# Altium PCB 4-PortUsbHub_PCB.PcbDoc (part 1 of 2) (continued)
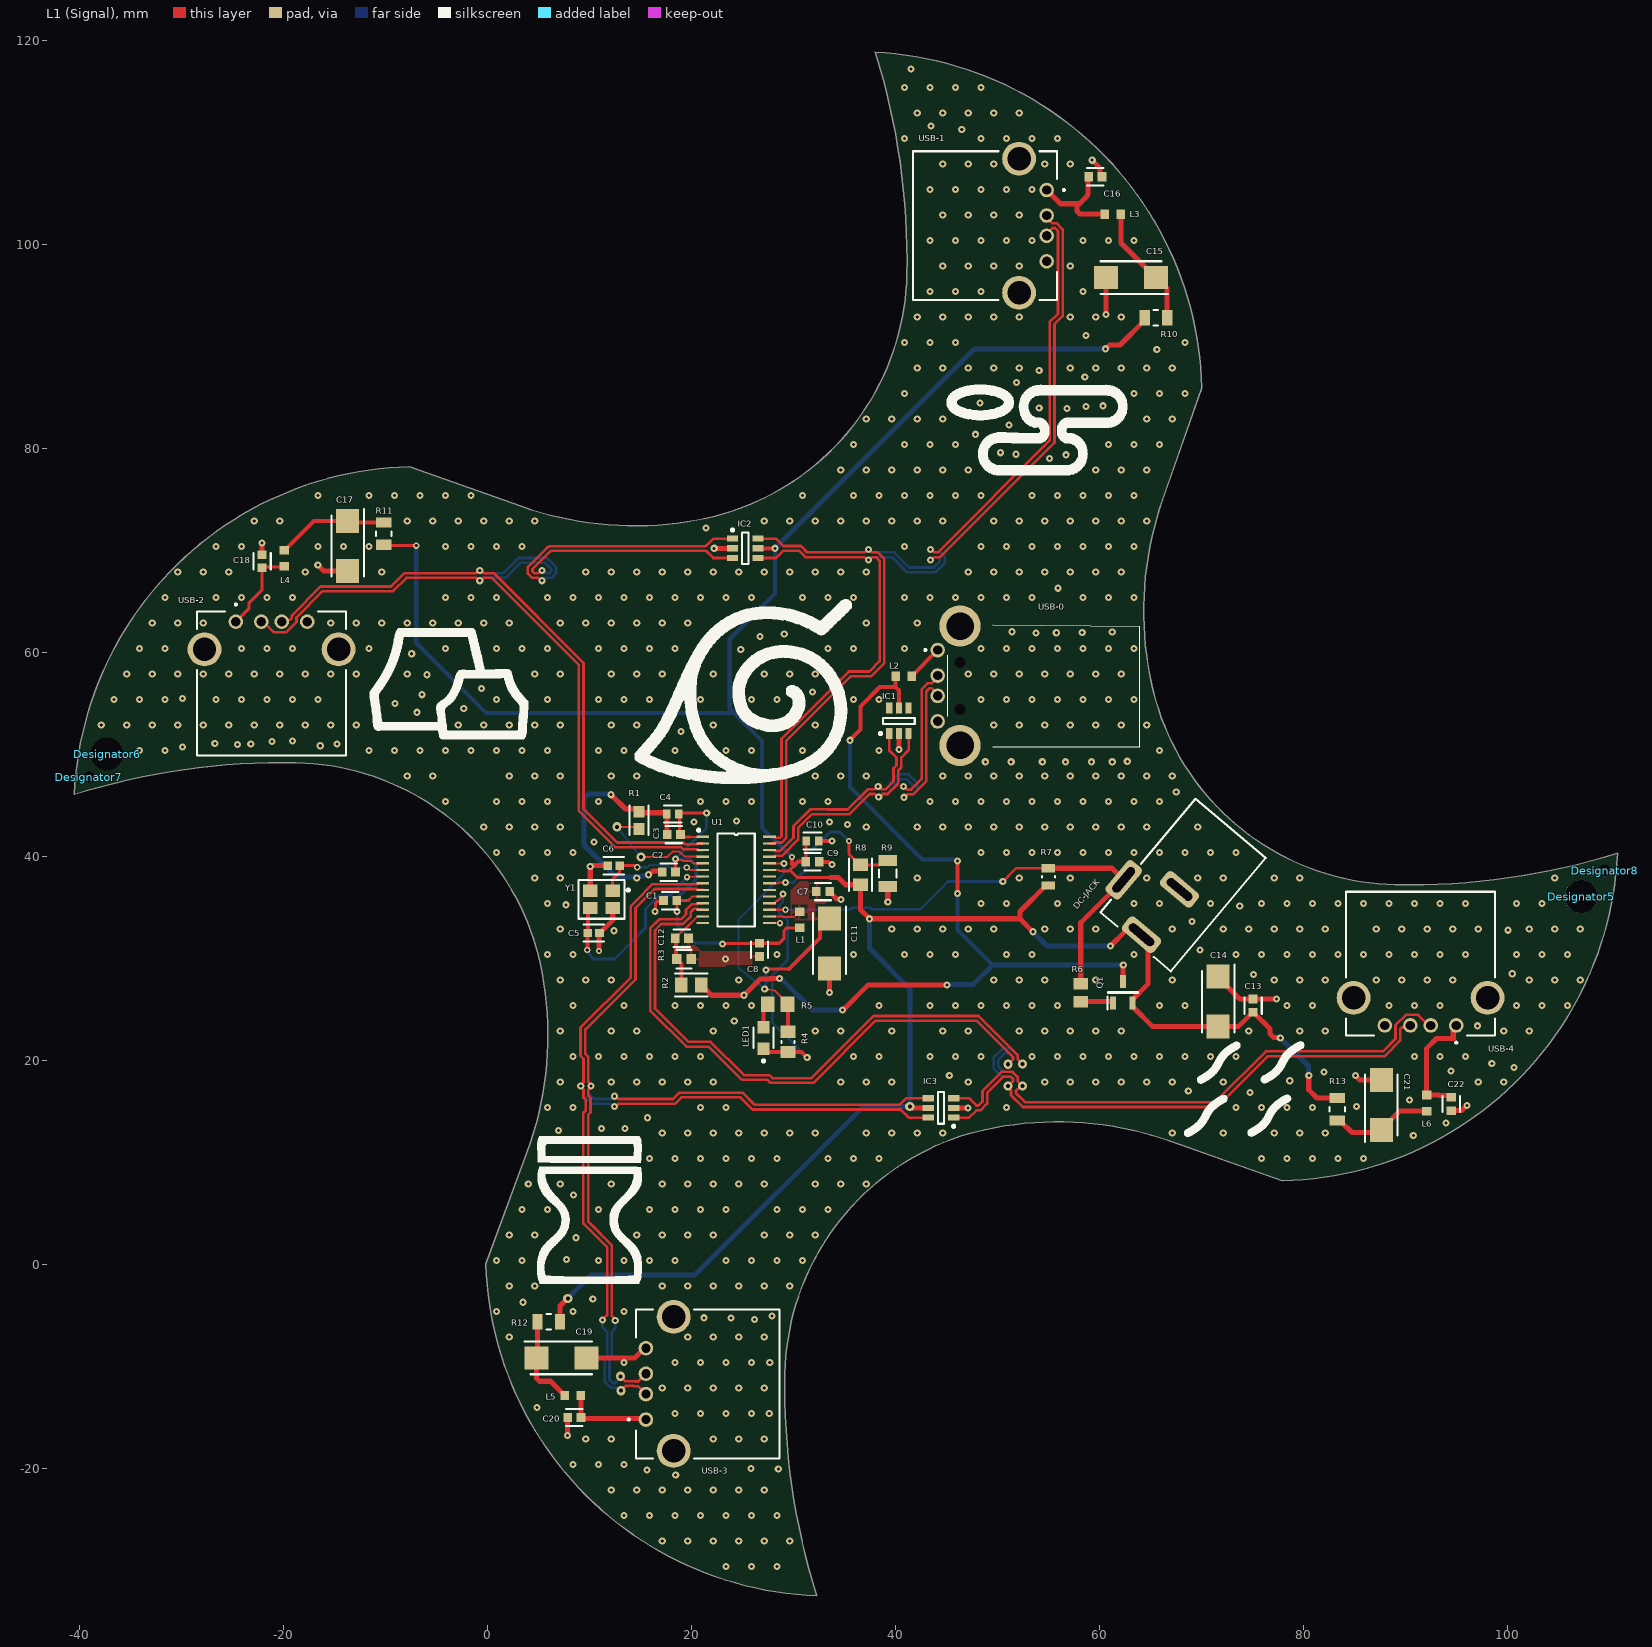
[diagram p0: L1 (Signal) view]
## Design rules (kind name [scope] priority, off if disabled: settings)
BoardOutlineClearance [All] p1: gap=0.2 ignorepadtopadclearanceinfootprint=FALSE
Clearance [All] p1: gap=0.2 ignorepadtopadclearanceinfootprint=FALSE except(0: Arc-Hole Track-Hole SMDPad-Hole THPad-Hole Via-Hole Fill-Hole Poly-Hole Region-Hole Text-Hole; 0.254: Arc-Via Track-Via Via-Via)
DiffPairsRouting DiffPairsRouting_1 [InDifferentialPairClass('90OhmDiffPairs')] p1: maxlimit=0.254 minlimit=0.203 mostfreqgap=0.254 toplayer_maxgap=0.203 toplayer_prefgap=0.203 toplayer_minwidth=0.261 toplayer_maxwidth=0.261 toplayer_prefwidth=0.261 bottomlayer_maxgap=0.203 bottomlayer_prefgap=0.203 bottomlayer_minwidth=0.261 bottomlayer_maxwidth=0.261 bottomlayer_prefwidth=0.261 impedanceprofiledriven=TRUE impedanceprofileid={3D53918F-05D9-4608-ACEE-7981F4743B1B} impedanceprofilevalue=90.000000 maxuncoupledlength=12.7
DiffPairsRouting [All] p2: maxlimit=0.254 minlimit=0.203 mostfreqgap=0.254 toplayer_maxgap=0.203 toplayer_prefgap=0.203 toplayer_minwidth=0.261 toplayer_maxwidth=0.261 toplayer_prefwidth=0.261 bottomlayer_maxgap=0.203 bottomlayer_prefgap=0.203 bottomlayer_minwidth=0.261 bottomlayer_maxwidth=0.261 bottomlayer_prefwidth=0.261 impedanceprofiledriven=TRUE impedanceprofileid={3D53918F-05D9-4608-ACEE-7981F4743B1B} impedanceprofilevalue=90.000000 maxuncoupledlength=12.7
HoleSize [All] p1: absolutevalues=TRUE maxlimit=6.3 minlimit=0.2 maxpercent=80.000 minpercent=20.000
MatchedLengths [InDifferentialPairClass('90OhmDiffPairs')] p1: tolerance=3.81 checknetsindiffpair=TRUE checkdiffpairvsdiffpair=FALSE checkxsignals=FALSE checkothers=FALSE
MinimumAnnularRing [All] p1: minimumring=0.13
MinimumSolderMaskSliver [All] p1: minsoldermaskwidth=0.2
PolygonConnect [All] p1: thpad.connectstyle=Relief thpad.reliefconductorwidth=0.254 thpad.reliefentries=4 thpad.polygonreliefangle="90 Angle" thpad.airgapwidth=0.254 smdpad.connectstyle=Relief smdpad.reliefconductorwidth=0.254 smdpad.reliefentries=4 smdpad.polygonreliefangle="90 Angle" smdpad.airgapwidth=0.254 via.connectstyle=Direct via.reliefconductorwidth=0.254 via.reliefentries=4 via.polygonreliefangle="90 Angle" via.airgapwidth=0.254
RoutingVias [All] p1: holewidth=0.3 width=0.7 viastyle="Through Hole" minholewidth=0.2 minwidth=0.4 maxholewidth=0.4 maxwidth=0.9
SilkToSolderMaskClearance [IsPad] p1: minsilkscreentomaskgap=0.15 clearancetoexposedcopper=TRUE
SolderMaskExpansion [All] p1: expansion=0.05 istentingtop=FALSE
UnRoutedNet [All] p1: checkbadconnections=TRUE
Width [All] p1: maxlimit=1 minlimit=0.2 preferedwidth=0.3 minimp=50.000000 maximp=50.000000 favimp=50.000000
25 further rules are at their usual default settings.

## Classes and differential pairs
differential pair class 90OhmDiffPairs: USB_D0 USB_D1 USB_D2 USB_D3 USB_D4
component class 4-PortUsbHub_Schematic: C1 C2 C3 C4 C5 C6 C7 C8 C9 C10 C11 C12 C13 C14 C15 C16 C17 C18 C19 C20 C21 C22 DC-JACK IC1 IC2 IC3 L1 L2 L3 L4 L5 L6 L? LED1 Q1 R1 R2 R3 R4 R5 R6 R7 R8 R9 R10 R11 R12 R13 U1 USB-0 USB-1 USB-2 USB-3 USB-4 Y1
differential pair USB_D4: +USB_D4_P -USB_D4_N
differential pair USB_D3: +USB_D3_P -USB_D3_N
differential pair USB_D2: +USB_D2_P -USB_D2_N
differential pair USB_D1: +USB_D1_P -USB_D1_N
differential pair USB_D0: +USB_D0_P -USB_D0_N

## Components (designator, comment, footprint, x,y, rotation, side; value= is the part's Value field where it differs from the comment)
C1 "100n" FP-C0603-CJ-MFG 17.871,35.663 r0 top value=100nF
C2 "100n" FP-C0603-CJ-MFG 17.744,38.457 r0 top value=100nF
C3 "100n" FP-C0603-CJ-MFG 18.237,42.14 r0 top value=100nF
C4 "1u" FP-C0603C105K3PACTU-MFG 18.125,44.172 r180 top
C5 "33p" FP-CC0603-0_9-IPC_C 10.378,32.488 r180 top
C6 "33p" FP-CC0603-0_9-IPC_C 12.341,39.092 r0 top
C7 "100n" FP-C0603-CJ-MFG 32.857,36.552 r180 top value=100nF
C8 "100n" FP-C0603-CJ-MFG 26.634,30.837 r270 top value=100nF
C9 "100n" FP-C0603-CJ-MFG 31.826,39.473 r180 top value=100nF
C10 "1u" FP-C0603C105K3PACTU-MFG 31.826,41.505 r0 top
C11 "10u" CAPPM6032X280N 33.492,31.472 r270 top
C12 "100n" FP-C0603-CJ-MFG 19.014,31.98 r180 top value=100nF
C13 "100n" FP-C0603-CJ-MFG 75.021,25.376 r90 top value=100nF
C14 "100u" CAPPM6032X280N 71.592,25.757 r270 top
C15 "100u" CAPPM6032X280N 63.046,96.75 r180 top
C16 "100n" FP-C0603-CJ-MFG 59.552,106.63 r180 top value=100nF
C17 "100u" CAPPM6032X280N -13.752,70.424 r270 top
C18 "100n" FP-C0603-CJ-MFG -22.134,68.937 r270 top value=100nF
C19 "100u" CAPPM6032X280N 7.203,-9.168 r0 top
C20 "100n" FP-C0603-CJ-MFG 8.473,-15.01 r0 top value=100nF
C21 "100u" CAPPM6032X280N 87.594,15.634 r90 top
C22 "100n" FP-C0603-CJ-MFG 94.452,15.724 r90 top value=100nF
DC-JACK "DC-Socket" 694106301002 68.163,37.187 r140 top (schematic designator J2)
Designator5 "Comment" "Mounting Hole (Non-Plated) - 3.2mm"#1 107.188,36.043 r0 top
Designator6 "Comment" "Mounting Hole (Non-Plated) - 3.2mm"#1 -37.338,50.013 r0 top
Designator7 "Comment" "Mounting Hole (Non-Plated) - 3.2mm"#2 -39.116,47.752 r0 top
Designator8 "Comment" "Mounting Hole (Non-Plated) - 3.2mm"#2 109.474,38.583 r0 top
IC1 "SRV05-4.TCT" SMTC-SOT23-6_V 40.299,53.29 r90 top
IC2 "SRV05-4.TCT" SMTC-SOT23-6_V 25.237,70.207 r0 top
IC3 "SRV05-4.TCT" SMTC-SOT23-6_V 44.414,15.343 r180 top
L1 "FBMH1608HL600-T_1" FBMH1608HL600-T 30.571,33.758 r270 top
L2 "FBMH1608HL600-T_1" FBMH1608HL600-T 40.756,57.659 r180 top
L3 "FBMH1608HL600-T_1" FBMH1608HL600-T 61.247,102.973 r180 top
L4 "FBMH1608HL600-T_1" FBMH1608HL600-T -19.975,69.191 r270 top
L5 "FBMH1608HL600-T_1" FBMH1608HL600-T 8.346,-12.851 r0 top
L6 "FBMH1608HL600-T_1" FBMH1608HL600-T 92.039,15.851 r90 top
LED1 "RED" FP-LS_R976-MFG 27.015,22.201 r90 top
Q1 "SQ2303ES-T1_BE3" SOT95P237X112-3N 62.255,26.68 r90 top
R1 "680r" FP-ERJ3EK-IPC_A 14.823,43.537 r270 top
R2 "10k" FP-CR0805-IPC_A 19.942,27.408 r0 top
R3 "47k" FP-CRCW0603-e3-IPC_B 19.221,29.948 r0 top
R4 "100k" RESC2013X60X35ML10T20 29.428,21.82 r90 top
R5 "470r" RESC2013X70X40ML20T20 28.412,25.503 r0 top
R6 "4.7k" RESC2013X70X40NL20T20 58.13,26.632 r90 top
R7 "470k" FP-CRCW0805-e3-IPC_C 54.955,37.987 r270 top
R8 "10k" FP-CR0805-IPC_A 36.54,38.203 r270 top
R9 "20k" FP-CRCW1206-e3-MFG 39.207,38.33 r90 top
R10 "PTC" FP-MF-PSMF-MFG 65.496,92.813 r0 top value=0.15-0.9Ω
R11 "PTC" FP-MF-PSMF-MFG -10.196,71.647 r90 top value=0.15-0.9Ω
R12 "PTC" FP-MF-PSMF-MFG 5.976,-5.612 r180 top value=0.15-0.9Ω
R13 "PTC" FP-MF-PSMF-MFG 83.276,15.216 r270 top value=0.15-0.9Ω
U1 "GL850G-HHY22" GL850G-HHY22 24.348,37.695 r0 top
USB-0 "USB-AM-S-F-B-TH" USBAMSFBTH 44.094,60.233 r90 top (schematic designator J1)
USB-1 "USB-A-S-X-X-TH" USB-A-S-X-X-TH 53.431,101.834 r270 top (schematic designator J3)
USB-2 "USB-A-S-X-X-TH" USB-A-S-X-X-TH -21.211,61.656 r0 top (schematic designator J4)
USB-3 "USB-A-S-X-X-TH" USB-A-S-X-X-TH 16.855,-11.708 r90 top (schematic designator J5)
USB-4 "USB-A-S-X-X-TH" USB-A-S-X-X-TH 91.438,24.783 r180 top (schematic designator J6)
Y1 "12MHz" FP-7M-MFG 11.14,35.79 r180 top

## Footprints (in the part's own frame and the unit in brackets; to place one, negate y for a bottom-side part, rotate by r counter-clockwise, add the part's x,y. Pads: shape width x height; smd on the part's side, far side on the other; paste and mask are expansions set on the pad)
694106301002 [mm] "DC Power Jack Right Angled(6.4)"
  rrect50% 4x1.8 hole 0.8 slot 3 at 0 deg: 1(0,6.35) 2(0,0.55)
  rrect50% 1.8x4 hole 0.8 slot 3 at 90 deg: 3(4.8,3.35)
  silkscreen extent -4.5,-7.25 4.5,7.25, body extent -4.5,-7.25 5,7.25, height 10.75
CAPPM6032X280N [mm]
  rect 2.35x2.25 smd: 1(-2.45,0) 2(2.45,0)
  silkscreen extent -3.62,-1.6 3,1.6, body extent -3.15,-1.78 3.15,1.73, height 2.63
FBMH1608HL600-T [mm]
  rect 0.84x0.93 smd: 1(-0.82,0) 2(0.762,0)
  body extent -0.84,-0.45 0.76,0.45, height 0.81
FP-7M-MFG [mm]
  rect 1.4x1.2 smd paste+0 mask+0: 1(-1.1,-0.85) 2(1.1,-0.85) 3(1.1,0.85) 4(-1.1,0.85)
  silkscreen extent -2.75,-1.9 2.25,1.9, body extent -1.9,-1.55 1.9,1.55, height 0.25
FP-C0603-CJ-MFG [mm]
  rect 0.85x0.9 smd paste+0 mask+0: 1(-0.65,0) 2(0.65,0)
  silkscreen extent -0.8,-0.85 0.8,0.85, body extent -1.2,-0.6 1.2,0.6, height 0.25
FP-C0603C105K3PACTU-MFG [mm]
  rect 0.75x0.9 smd paste+0 mask+0: 1(-0.6,0) 2(0.6,0)
  silkscreen extent -0.87,-0.82 0.87,0.82, body extent -1.2,-0.6 1.2,0.6, height 0.25
FP-CC0603-0_9-IPC_C [mm]
  rect 0.858x0.812 smd paste+0 mask+0: 1(-0.577,0) 2(0.577,0)
  silkscreen extent -1.01,-0.85 1.01,0.85, body extent -1.11,-0.55 1.11,0.55, height 0.25
FP-CR0805-IPC_A [mm]
  rect 1.258x1.462 smd paste+0 mask+0: 1(-0.977,0) 2(0.977,0)
  silkscreen extent -1.61,-1.13 1.61,1.13, body extent -2.11,-1.23 2.11,1.23, height 0.25
FP-CRCW0603-e3-IPC_B [mm]
  rect 0.935x0.962 smd paste+0 mask+0: 1(-0.715,0) 2(0.715,0)
  silkscreen extent -0.75,-0.95 0.75,0.9, body extent -1.43,-0.73 1.43,0.73, height 0.25
FP-CRCW0805-e3-IPC_C [mil]
  rect 31.75x51.5 smd paste+0 mask+0: 1(-33.5,0) 2(33.5,0)
  silkscreen extent -3,-25 3,25, body extent -53,-31 53,31, height 10
FP-CRCW1206-e3-MFG [mm]
  rect 1.05x1.8 smd paste+0 mask+0: 1(-1.275,0) 2(1.275,0)
  silkscreen extent -0.38,-0.87 0.38,0.87, body extent -1.9,-1 1.9,1, height 0.25
FP-ERJ3EK-IPC_A [mil]
  rect 45.53x41.82 smd paste+0 mask+0: 1(-33.5,0) 2(33.5,0)
  silkscreen extent -56,-37 56,37, body extent -76,-41 76,41, height 10
FP-LS_R976-MFG [mm]
  rect 1.2x1.2 smd paste+0 mask+0: 1(-1.05,0) 2(1.05,0)
  silkscreen extent -2.37,-0.97 1,0.97, body extent -1.75,-0.8 1.75,0.8, height 0.25
FP-MF-PSMF-MFG [mm]
  rect 1x1.5 smd paste+0 mask+0: 1(-1.1,0) 2(1.1,0)
  silkscreen extent -0.23,-0.75 0.23,0.75, body extent -1.7,-0.85 1.7,0.85, height 0.25
GL850G-HHY22 [mm]
  rect 1.25x0.22 smd: 1(-3.275,4.225) 2(-3.275,3.575) 3(-3.275,2.925) 4(-3.275,2.275) 5(-3.275,1.625) 6(-3.275,0.975) 7(-3.275,0.325) 8(-3.275,-0.325) 9(-3.275,-0.975) 10(-3.275,-1.625) 11(-3.275,-2.275) 12(-3.275,-2.925) 13(-3.275,-3.575) 14(-3.275,-4.225) 15(3.275,-4.225) 16(3.275,-3.575) 17(3.275,-2.925) 18(3.275,-2.275) 19(3.275,-1.625) 20(3.275,-0.975) 21(3.275,-0.325) 22(3.275,0.325) 23(3.275,0.975) 24(3.275,1.625) 25(3.275,2.275) 26(3.275,2.925) 27(3.275,3.575) 28(3.275,4.225)
  silkscreen extent -3.81,-4.55 1.82,5, body extent -3.9,-5.1 3.9,5.1, height 2
"Mounting Hole (Non-Plated) - 3.2mm"#1 [mm]
  round 3.2 hole 3.2: MH(0,0.025)
"Mounting Hole (Non-Plated) - 3.2mm"#2 [mm]
  round 1.152 hole 1.152 unplated: TH(0,0.025)
RESC2013X60X35ML10T20 [mm] "Chip Resistor, 2-Leads, Body 2.1x1.35mm, IPC Low Density"
  rect 1.2x1.45 smd: 1(-1,0) 2(1,0)
  silkscreen extent -0.1,-0.63 0.1,0.63, body extent -1.05,-0.68 1.05,0.67, height 0.6
RESC2013X70X40ML20T20 [mm] "Chip Resistor, 2-Leads, Body 2.00x1.25mm, IPC Low Density"
  rect 1.35x1.55 smd: 1(-0.975,0) 2(0.975,0)
  body extent -1.1,-0.72 1.1,0.72, height 0.7
RESC2013X70X40NL20T20 [mm] "Chip Resistor, 2-Leads, Body 2.2x1.35mm, IPC Medium Density"
  rect 1.15x1.45 smd: 1(-0.875,0) 2(0.875,0)
  body extent -1.1,-0.72 1.1,0.72, height 0.7
SMTC-SOT23-6_V [mm] "SOT23, 6-Leads, Body 3.15x1.7mm, Pitch 0.95mm"
  rect 1.1x0.6 smd: 1(-1.25,0.95) 2(-1.25,0) 3(-1.25,-0.95) 4(1.25,-0.95) 5(1.25,0) 6(1.25,0.95)
  silkscreen extent -1.37,-1.55 0.3,1.92, body extent -0.87,-1.55 0.87,1.55, height 1.45
SOT95P237X112-3N [mm]
  rect 1.3x0.6 smd: 1(-1.05,0.95) 2(-1.05,-0.95) 3(1.05,0)
  silkscreen extent -1.7,-1.46 0.05,1.5, body extent -1.18,-1.46 1.18,1.46, height 1.12
USB-A-S-X-X-TH [mm]
  round 1.428 hole 0.92: 01(-3.5,1.355) 02(-1,1.355) 03(1,1.355) 04(3.5,1.355)
  round 3.316 hole 2.3: S1(-6.57,-1.355) S2(6.57,-1.355)
  silkscreen extent -7.3,-11.75 7.3,3.15, body extent -7.87,-11.77 7.87,2.33, height 7.49
USBAMSFBTH [mm]
  round 1.431 hole 0.92: 1(0,0) 2(-2.5,0) 3(-4.5,0) 4(-7,0)
  round 4.039 hole 2.693: MH1(-9.35,-2.2) MH2(2.35,-2.2)
  round 0.55 hole 1.1 unplated: MH3(-5.8,-2.2) MH4(-1.2,-2.2)
  silkscreen extent -9.5,-19.8 2.5,1.3, body extent -10.59,-19.8 3.6,0.36, height 4.7

## Part data
C1 C2 C3 C7 C8 C9 C12 C13 C16 C18 C20 C22: library part CMP-2006-03300-2, "CAP CER 0.1UF 50V X7R 0603", Capacitance=100nF, Manufacturer=Kemet, Manufacturer Part Number=C0603X104K5RACTU, Package=C0603-CJ, Temperature="-55°C to +125°C", Temperature Characteristic=X7R, Temperature Coefficient=15%, Temperature Range High=+125°C, Temperature Range Low=-55°C, Tolerance=10%, Voltage=50V, Automotive=No, Category=Cap, ComponentLink2Description=Datasheet, ComponentLink2URL=https://content.kemet.com/datasheets/KEM_C1013_X7R_FT-CAP_SMD.pdf, Device Class L1="Passive Components", Device Class L2=Capacitors, Device Class L3="Ceramic Capacitors", Digikey Description="CAP CER 0.1UF 50V X7R 0603", Height=0.95mm, Ipc Land Pattern Name=CAPC16080X80, Lead Free=Yes, Material=Ceramic, Mouser Description="Capacitor; Ceramic; Cap 0.1uF; Tol+10%; SMT; Flexible Termination; Vol-Rtg 50V; TR", Octopart=https://octopart.com/c0603x104k5ractu-kemet-9145062, RoHS=TRUE, Voltage Rating=50V
C4 C10: library part CMP-2006-02216-3, "CAP CER 1UF 25V X5R 0603", Capacitance=1uF, Case Code (Imperial)=0603, Case Code (Metric)=1608, Dielectric=X5R, Dielectric Material=Ceramic, Max Operating Temperature=85°C, Min Operating Temperature=-55°C, Package Quantity=4000, Tolerance=10%, Voltage=25V, Case/Package=0603, Construction=Flat, Contact Plating=Tin, Depth=0.8mm, Height=0.8mm, Lead Free="Lead Free", Length=1.6mm, Mount="Surface Mount", Number of Pins=2, Packaging="Tape and Reel", Radiation Hardening=No, REACH SVHC="No SVHC", RoHS Compliant=Yes, Series=C0603C, Termination=SMD/SMT, Thickness=0.034inch, Voltage Rating=25V, Voltage Rating (DC)=25V, Width=0.031inch
C5 C6: library part CMP-2000-06072-2, "CAP CER 33PF 50V C0G/NPO 0603", Capacitance=33pF, Case Code (Imperial)=0603, Case Code (Metric)=1608, Dielectric=C0G, Dielectric Material=Ceramic, Insulation Resistance=100GR, Max Operating Temperature=125°C, Min Operating Temperature=-55°C, Package Quantity=1, Temperature Coefficient=30ppm/°C, Tolerance=5%, Voltage=50V, Case/Package=0603, Depth=0.8mm, Height=0.8mm, Lead Free="Lead Free", Length=1.6mm, Mount="Surface Mount", Number of Pins=2, Packaging="Tape and Reel", Radiation Hardening=No, REACH SVHC="No SVHC", Resistor Type=Ceramic, RoHS Compliant=Yes, Series=CC, Termination=SMD/SMT, Thickness=0.035inch, Voltage Rating=50V, Voltage Rating (DC)=50V, Width=0.031inch
C11: library part TAJC106K010RNJ, "Capacitor Polarised", Manufacturer_Name=AVX, Mouser Part Number=581-TAJC106K010R, Arrow Part Number=TAJC106K010RNJ, Arrow Price/Stock=https://www.arrow.com/en/products/tajc106k010rnj/avx, Datasheet Link=http://datasheets.avx.com/TAJ.pdf, Height=2.8mm, Manufacturer_Part_Number=TAJC106K010RNJ, Mouser Price/Stock=https://www.mouser.co.uk/ProductDetail/AVX/TAJC106K010RNJ?qs=ZjRtS80k2UMZmDDXHRpqiA%3D%3D
C14 C15 C17 C19 C21: library part TPSC107K010R0200, "Capacitor Polarised", Manufacturer_Name=AVX, Mouser Part Number=581-TPSC107K010R0200, Arrow Part Number=TPSC107K010R0200, Arrow Price/Stock=https://www.arrow.com/en/products/tpsc107k010r0200/avx, Datasheet Link=http://datasheets.avx.com/TPS.pdf, Height=2.8mm, Manufacturer_Part_Number=TPSC107K010R0200, Mouser Price/Stock=https://www.mouser.co.uk/ProductDetail/AVX/TPSC107K010R0200?qs=XbFfs0GzOF%252BR3MRAtAHkyw%3D%3D
DC-JACK: library part CMP-1502-00188-1, "DC Power Jack Connector WR-DC, Male, Right Angled, THT, 5 A, 24 V", Manufacturer="Wurth Elektronik", Operating Temperature=-40to85degC, Package Reference=694106301002, Rated Current=5A, Working Voltage=24V, Datasheet URL=http://katalog.we-online.de/em/datasheet/6941xx301002.pdf, Gender=Male, Manufacturer URL=http://www.we-online.de, Mounting Technology=THT, Opening Diameter=6.4mm, Orientation=RightAngled, Packaging=Bag, Part Number=694106301002, Plug Inner Diameter=2.05mm, Plug Outer Diameter=5.5mm, Publisher=WurthElektronik
IC1 IC2 IC3: library part CMP-2000-05358-1, "RailClamp(R) Low Capacitance TVS Diode Array, 5 pF, 17.5 VC, -55 to 125 degC, 6-Pin SOT23, RoHS, Tape and Reel", Capacitance Value=5pF, Clamping Voltage=17.5V, Clamping Voltage (Max)=12.5V, Leakage Current=5uA, Manufacturer=Semtech, Operating Temp Range=-55Cto125C, Operating Temperature Classification=Military, Operating Temperature Max Deg. C=125C, Operating Temperature Min Deg. C=-55C, Package / Case=SOT-23, Package Description="6-Pin Small Outline Transistor, Body 2.9 x 1.6 mm, Pitch 0.95 mm", Package Reference=SOT23-6, Peak Pulse Current=12A, Peak Pulse Power Dissipation=300W, Reverse Breakdown Voltage=6V, Reverse Stand-off Voltage=5V, Test Current (It)=1mA, Configuration=Quad, Datasheet URL=https://datasheet.ciiva.com/8029/srv05-4-8029973.pdf, Datasheet Version=Jan-08, Direction Type=Uni-Directional, Leakage Current (Max)=5uA, Manufacturer URL=http://www.semtech.com/, Mounting=SurfaceMount, Mounting Style=SurfaceMount, Number of Elements=1, Packaging=TapeandReel, Pin Count=6, Polarity=Uni-Directional, Product Depth (mm)=1.6mm, Product Height (mm)=1.15mm, Product Length (mm)=2.9mm, Rad Hardened=No, Suppressor Type=DiodeArrays, Working Voltage=5V, Working Voltage (Max)=5V
L1 L2 L3 L4 L5 L6: "0603 60Ω ±25% / DCR=45mΩ 2.1A", Manufacturer="Taiyo Yuden", Manufacturer Part Number=FBMH1608HL600-T
LED1: library part CMP-62016-000037-1, "LED RED DIFFUSED 0805 SMD", Case Code (Imperial)=0805, Case Code (Metric)=2012, Color=Red, Forward Current=25mA, Forward Voltage=2.5V, Lens Color=White, Max Operating Temperature=85°C, Min Operating Temperature=-30°C, Package Quantity=16000, Power Dissipation=65W, Reverse Voltage=12V, Test Current=20mA, Case/Package=0805, Depth=1.35mm, Dominant Wavelength=633nm, Height=0.9mm, Illumination Color=Red, Length=2mm, Lens Size=1.25mm, Lens Style=Flat, Lens Transparency=Diffused, Luminous Flux=0.47lm, Luminous Intensity=180mcd, Mount="Surface Mount", Number of Elements=1, Number of LEDs=1, Number of Pins=2, Packaging="Tape and Reel", Radiation Hardening=No, Viewing Angle=160°, Width=1.25mm
Q1: "MOSFET (P-Channel)", Manufacturer_Name=Vishay, Mouser Part Number=78-SQ2303ES-T1_BE3, Datasheet Link=https://www.vishay.com/docs/67023/sq2303es.pdf, Height=1.12mm, Manufacturer_Part_Number=SQ2303ES-T1_BE3, Mouser Price/Stock=https://www.mouser.co.uk/ProductDetail/Vishay-Siliconix/SQ2303ES-T1_BE3?qs=TiOZkKH1s2SXazUUsHim1A%3D%3D
R1: library part CMP-2000-00612-2, "RES SMD 680 OHM 1% 1/10W 0603", Case Code (Imperial)=0603, Case Code (Metric)=1608, Max Operating Temperature=155°C, Max Power Dissipation=100mW, Min Operating Temperature=-55°C, Package Quantity=1, Resistance=680R, Resistance Tolerance=1%, Resistor Type="Thick Film", Temperature Coefficient=100ppm/°C, Voltage Rating=75V, Case/Package=0603, Construction=Rectangular, Contact Plating=Tin, Depth=0.8mm, Features="Automotive AEC-Q200", Height=0.022inch, Lead Free="Lead Free", Length=1.6mm, Military Standard=Not, Mount="Surface Mount", Number of Pins=2, Number of Terminations=2, Packaging="Tape and Reel", Power Rating=100mW, Radiation Hardening=No, REACH SVHC="No SVHC", RoHS Compliant=Yes, Series=ERJ, Termination=SMD/SMT, Tolerance=1%, Voltage Rating (DC)=75V, Width=0.031inch
R2 R8: library part CMP-07231-003204-1, "Thick Film Chip Resistors 0805 10kΩ 0.125W 1% 100ppm/°C", Case Code (Imperial)=0805, Case Code (Metric)=2012, Max Operating Temperature=155°C, Max Power Dissipation=125mW, Min Operating Temperature=-55°C, Package Quantity=1, Resistance=10kR, Temperature Coefficient=100ppm/°C, Tolerance=1%, Voltage Rating=150V, Voltage Rating (DC)=100V, Case/Package=0805, Composition="Thick Film", Contact Plating=Tin, Depth=1.25mm, Features="Moisture Resistant", Height=0.5mm, Length=2mm, Mount="Surface Mount", Number of Terminations=2, Packaging="Tape and Reel", Power Rating=125mW, Radiation Hardening=No, REACH SVHC="No SVHC", Termination=SMD/SMT, Thickness=508um, Width=1.25mm
R3: library part CMP-2000-03379-3, "RES SMD 47K OHM 1% 1/10W 0603", Case Code (Imperial)=0603, Case Code (Metric)=1608, Max Operating Temperature=155°C, Max Power Dissipation=100mW, Min Operating Temperature=-55°C, Package Quantity=5000, Resistance=47kR, Resistance Tolerance=1%, Resistor Type="Thick Film", Temperature Coefficient=100ppm/°C, Voltage Rating=75V, Case/Package=0603, Construction=Rectangular, Contact Plating=Tin, Depth=0.85mm, Features="Automotive AEC-Q200", Height=0.45mm, Lead Free="Lead Free", Length=1.55mm, Military Standard=Not, Mount="Surface Mount", Number of Terminations=2, Packaging="Tape and Reel", Power Rating=100mW, Radiation Hardening=No, RoHS Compliant=Yes, Series=CRCW, Size Code=0603, Technology="THICK FILM", Termination=SMD/SMT, Tolerance=1%, Voltage Rating (DC)=75V, Weight=7.1E-05oz, Width=0.85mm
R4: library part CMP-2100-03668-1, "Chip Resistor, 100 KOhm, +/- 1%, 0.125 W, -55 to 155 degC, 0805 (2012 Metric), RoHS, Tape and Reel", Case Code (Imperial)=0805, Case Code (Metric)=2012, Manufacturer=Yageo, Max Operating Temperature=155degC, Max Power Dissipation=125mW, Min Operating Temperature=-55degC, Package Description="2-Pin Surface Mounted Device, Body 2 x 1.25 mm", Package Quantity=1, Resistance=100KOhm, Temperature Coefficient=100ppm/degreesC, Tolerance=1%, Voltage Rating=150V, Case/Package=0805, Composition=ThickFilm, Datasheet URL=http://www.yageo.com/NewPortal/yageodocoutput?fileName=/pdf/R-Chip/PYu-RC_Group_51_RoHS_L_5.pdf, Datasheet Version="Rev. 5, 10/2016", Depth=1.25mm, Height=0.024inch, Lead Free=LeadFree, Lead Pitch=0.4mm, Length=2mm, Manufacturer URL=http://www.yageo.com/, Military Standard=Not, Number of Pins=2, Number of Terminations=2, Package Reference=0805, Packaging=TapeandReel, Power Rating=125mW, REACH SVHC=Unknown, RoHSCompliant=true, Termination=SMD/SMT, Voltage Rating (DC)=150V, Width=0.049inch
R5: library part CMP-2001-00549-5, "Chip Resistor, 470 Ohm, +/- 1%, 0.125 W, -55 to 155 degC, 0805 (2012 Metric), RoHS, Tape and Reel", Manufacturer=Panasonic, Max Operating Temperature="155 degC", Min Operating Temperature="-55 degC", Package Quantity=1, Voltage Rating="150 V", ComponentLink1Description="Manufacturer URL", ComponentLink1URL=http://www.panasonic.com/, ComponentLink2Description=Datasheet, ComponentLink2URL=http://industrial.panasonic.com/cdbs/www-data/pdf/RDA0000/AOA0000C86.pdf, DatasheetVersion=04/2015, Height="0.6 mm", Length="2 mm", Mount="Surface Mount", Mounting Technology="Surface Mount", PackageDescription="2-Pin Surface Mount Device, Body 2 x 1.25 mm", PackageReference=0805, Packaging="Cut Tape", Pins=2, REACH SVHC=Yes, RoHSCompliant=true
R6: library part CMP-2001-00550-5, "Chip Resistor, 4.7 KOhm, +/- 1%, 0.125 W, -55 to 155 degC, 0805 (2012 Metric), RoHS, Tape and Reel", Manufacturer=Panasonic, Max Operating Temperature="155 degC", Min Operating Temperature="-55 degC", Package Quantity=5000, Voltage Rating="150 V", ComponentLink1Description="Manufacturer URL", ComponentLink1URL=http://www.panasonic.com/, ComponentLink2Description=Datasheet, ComponentLink2URL=http://industrial.panasonic.com/cdbs/www-data/pdf/RDA0000/AOA0000C86.pdf, DatasheetVersion=04/2015, Height="0.6 mm", Length="2 mm", Mount="Surface Mount", Mounting Technology="Surface Mount", PackageDescription="2-Pin Surface Mount Device, Body 2 x 1.25 mm", PackageReference=0805, Packaging="Tape and Reel", Pins=2, REACH SVHC=Yes, RoHSCompliant=true
R7: library part CMP-2001-03930-2, "RES Thick Film, 470kΩ, 1%, 0.125W, 100ppm/°C, 0805", Case Code (Imperial)=0805, Case Code (Metric)=2012, Max Operating Temperature=155°C, Max Power Dissipation=125mW, Min Operating Temperature=-55°C, Package Quantity=10, Resistance=470kR, Temperature Coefficient=100ppm/°C, Tolerance=1%, Voltage Rating=150V, Case/Package=0805, Composition="Thick Film", Contact Plating=Tin, Depth=1.25mm, Features="Automotive AEC-Q200", Height=0.45mm, Lead Free="Lead Free", Length=2mm, Military Standard=Not, Number of Pins=2, Number of Terminations=2, Packaging="Tape and Reel", Power Rating=125mW, Radiation Hardening=No, Termination=SMD/SMT, Voltage Rating (DC)=150V, Weight=0.000194oz, Width=0.049inch
R9: library part CMP-2003-01940-2, "RES Thick Film, 20kΩ, 1%, 0.25W, 100ppm/°C, 1206", Case Code (Imperial)=1206, Case Code (Metric)=3216, Max Operating Temperature=155°C, Max Power Dissipation=250mW, Min Operating Temperature=-55°C, Package Quantity=10, Resistance=20kR, Temperature Coefficient=100ppm/°C, Tolerance=1%, Voltage Rating=200V, Case/Package=1206, Composition="Thick Film", Contact Plating=Tin, Depth=1.6mm, Features="Automotive AEC-Q200", Height=0.55mm, Lead Free="Lead Free", Length=3.2mm, Military Standard=Not, Mount="Surface Mount", Number of Pins=2, Number of Terminations=2, Packaging="Tape and Reel", Power Rating=250mW, Radiation Hardening=No, Termination=SMD/SMT, Voltage Rating (DC)=200V, Weight=0.000353oz, Width=0.063inch, Working Voltage=200V
R10 R11 R12 R13: library part CMP-07400-000013-1, "PTC RESET FUSE 6V 500MA 0805", Ambient Temperature Range High=+85°C, Ambient Temperature Range Low=-40°C, Current Rating=40A, Hold Current=0.5A, Manufacturer="Bourns Inc.", Manufacturer Part Number=MF-PSMF050X-2, Package=MF-PSMF, Resistance=0.15-0.9Ω, Temperature="-40°C to +85°C", Trip Current=1A, Voltage Rating=6V, Automotive=Yes, Category=Fuse, ComponentLink2Description=Datasheet, ComponentLink2URL=https://www.bourns.com/docs/product-datasheets/mfpsmf.pdf?sfvrsn=9c05cafe_24, Device Class L1="Circuit Protection", Device Class L2="PTC Resettable Fuses", Device Class L3=unset, Digikey Description="PTC RESET FUSE 6V 500MA 0805", Height=0.85mm, Lead Free=Yes, Mouser Description="Resettable Fuses - PPTC .50A 6V 0.15ohm Hold .5 Trip 1", Octopart=https://octopart.com/mf-psmf050x-2-bourns-7483438, RoHS=TRUE, Temperature Range High=+85°C, Temperature Range Low=-40°C, Trip Time=0.1s
U1: "SSOP-28 USB RoHS", Manufacturer="Genesys Logic", Manufacturer Part Number=GL850G-HHY22
USB-0: "Connector", Manufacturer_Name=SAMTEC, Mouser Part Number=200-USBAMSFBTH, Arrow Part Number=USB-AM-S-F-B-TH, Arrow Price/Stock=https://www.arrow.com/en/products/usb-am-s-f-b-th/samtec?region=europe, Datasheet Link=http://suddendocs.samtec.com/prints/usb-am-s-x-x-th-x-mkt.pdf, Height=4.6mm, Manufacturer_Part_Number=USB-AM-S-F-B-TH, Mouser Price/Stock=https://www.mouser.co.uk/ProductDetail/Samtec/USB-AM-S-F-B-TH?qs=Cqqh%252BS766wkVA4Y1oUegpA%3D%3D
USB-1 USB-2 USB-3 USB-4: Manufacturer=Samtec, Manufacturer Part Number=USB-A-S-X-X-TH
Y1: library part CMP-18717-000311-1, "Crystal 12MHz, 10ppm, 10pF, 80Ω", Case/Package=SMD/SMT, ESR (Equivalent Series Resistance)=100R, Frequency Stability=10ppm, Load Capacitance=10pF, Max Operating Temperature=70°C, Min Operating Temperature=-20°C, Package Quantity=3000, Depth=2.5mm, Frequency=12MHz, Frequency Tolerance=10ppm, Height=0.031inch, Length=3.2mm, Mount="Surface Mount", Number of Pins=4, Packaging="Tape and Reel", REACH SVHC="No SVHC", RoHS Compliant=Yes, Series=7M, Termination=SMD/SMT, Tolerance=10ppm, Width=0.098inch

## Via types
v1: diameter 0.7, hole 0.3, L1 (Signal) to L4 (Signal), 901 vias
v2: diameter 0.6, hole 0.3, L1 (Signal) to L4 (Signal), 10 vias
v3: diameter 0.9, hole 0.4, L1 (Signal) to L4 (Signal), 10 vias

## Nets (pads, with @x,y where several pads share a name; then routed paths per layer and width w, separated by ;. In a path a pad name is that pad's centre, name@x,y a point inside that pad or via, vN(x,y) a via of type N, cw(c..) or ccw(c..) an arc to the next point about the centre after c; other vN are vias at no path point)
+5: IC1.5 L2.2 Q1.3 R2.2 | length 88.3
  L1 (Signal) w0.4: v1(35.499,51.385) 35.499,51.411 36.515,52.427 36.515,54.713 38.42,56.618 39.969,56.618 ; L2.2@39.994,57.659 39.969,57.634 39.969,56.618 ; IC1.5@40.299,54.54 40.299,56.287 39.969,56.618 ; v1(46.04,36.374) v1(46.04,39.549)
  L1 (Signal) w0.5: R2.2@20.919,27.408 20.919,27.306 21.298,26.927 21.4,26.927 21.935,26.392 v1(25.11,26.392) 26.72,28.001 27.623,28.001 27.664,28.043 v1(28.59,28.043) ; v1(34.762,24.944) 34.838,24.944 37.302,27.408 v1(45.024,27.408) ; Q1.3@62.255,27.73 62.275,27.75 62.275,29.318 v1(62.296,29.338)
  L4 (Signal) w0.4: v1(35.499,51.385) 35.499,46.788 42.585,39.701 45.887,39.701 v1(46.04,39.549) ; v1(46.04,36.374) 46.04,32.767 49.469,29.338
  L4 (Signal) w0.5: v1(28.59,28.043) 28.615,28.017 28.768,28.017 31.841,24.944 v1(34.762,24.944) ; v1(45.024,27.408) 45.074,27.458 47.589,27.458 49.469,29.338 v1(62.296,29.338)
AVDD: C1.2 C2.2 C3.2 C4.1 C8.1 L1.2 U1.1 U1.5 U1.10 | length 43.7
  L1 (Signal) w0.2: v1(18.404,39.76) 18.5,39.665 19.023,39.665 19.118,39.57 19.898,39.57 20.148,39.32 U1.5@21.073,39.32 ; 19.776,35.79 20.056,36.07 U1.10@21.073,36.07 ; 19.81,41.92 U1.1@21.073,41.92
  L1 (Signal) w0.3: C2.2@18.394,38.457 18.399,38.462 18.399,39.755 v1(18.404,39.76) ; v1(18.531,34.596) 18.526,34.601 18.526,35.657 C1.2@18.521,35.663 19.649,35.663 19.776,35.79 ; 19.81,41.92 19.107,41.92 C3.2@18.887,42.14 18.806,42.221 18.806,44.091 C4.1@18.725,44.172 18.827,44.273 v1(21.452,44.273) ; v1(23.002,31.421) 23.035,31.454 26.601,31.454 C8.1@26.634,31.487 28.554,31.487 29.047,31.98 29.047,32.742 29.301,32.996 L1.2@30.571,32.996
  L4 (Signal) w0.3: 20.43,37.928 cw(c20.13,37.93) 20.383,37.77 20.283,37.612 cw(c19.688,37.988) 20.175,37.479 18.624,35.999 ccw(c18.831,35.782) 18.531,35.782 v1(18.531,34.596) 18.531,33.275 20.284,31.522 22.9,31.522 v1(23.002,31.421) ; 20.43,37.929 20.43,39.109 19.778,39.76 v1(18.404,39.76) 21.427,42.783 21.427,44.121 21.452,44.146 v1(21.452,44.273)
DVDD: C7.2 C11.1 L1.1 R4.2 R5.2 U1.16 U1.24 | length 36.3
  L1 (Signal) w0.2: v1(27.142,27.001) 28.067,26.866 cw(c28.038,26.668) 28.18,26.81 29.387,25.603 R5.2@29.387,25.503 ; U1.16@27.623,34.12 28.832,34.12 28.882,34.07 30.018,34.07 30.526,34.578 L1.1@30.571,34.578 ; U1.24@27.623,39.32 28.272,39.32 v1(29.022,39.32)
  L1 (Signal) w0.3: v1(27.269,28.855) 27.371,28.957 29.53,28.957
  L1 (Signal) w0.4: R5.2@29.387,25.503 29.428,25.462 R4.2@29.428,22.82 ; 29.53,28.957 32.567,31.994 32.567,32.997 C11.1@33.492,33.922
  L4 (Signal) w0.2: v1(27.142,27.001) 24.651,29.016 cw(c24.777,29.171) 24.577,29.171 24.577,33.839 28.821,38.083 ccw(c28.679,38.225) 28.878,38.199 29.022,38.343 v1(29.022,39.32)
  L4 (Signal) w0.3: v1(27.142,27.001) 27.249,27.47 ccw(c26.957,27.537) 27.257,27.528 27.269,27.944 ccw(c26.969,27.953) 27.269,27.95 ; 27.269,27.951 27.269,28.05 v1(27.269,28.855)